# Altium PCB Waffling60-NMB.PcbDoc (part 1 of 2)
Units mm, origin at the board's own origin, x right, y up, seen from the top; angles counter-clockwise.
Board outline 284.7 x 94.21 mm, 2 copper layers (Component Side, Bottom Layer), stack 1.571 mm thick; 191 components, 116 nets, 794 pads, 119 vias.
Unrouted connection lines stored in the file: 9.
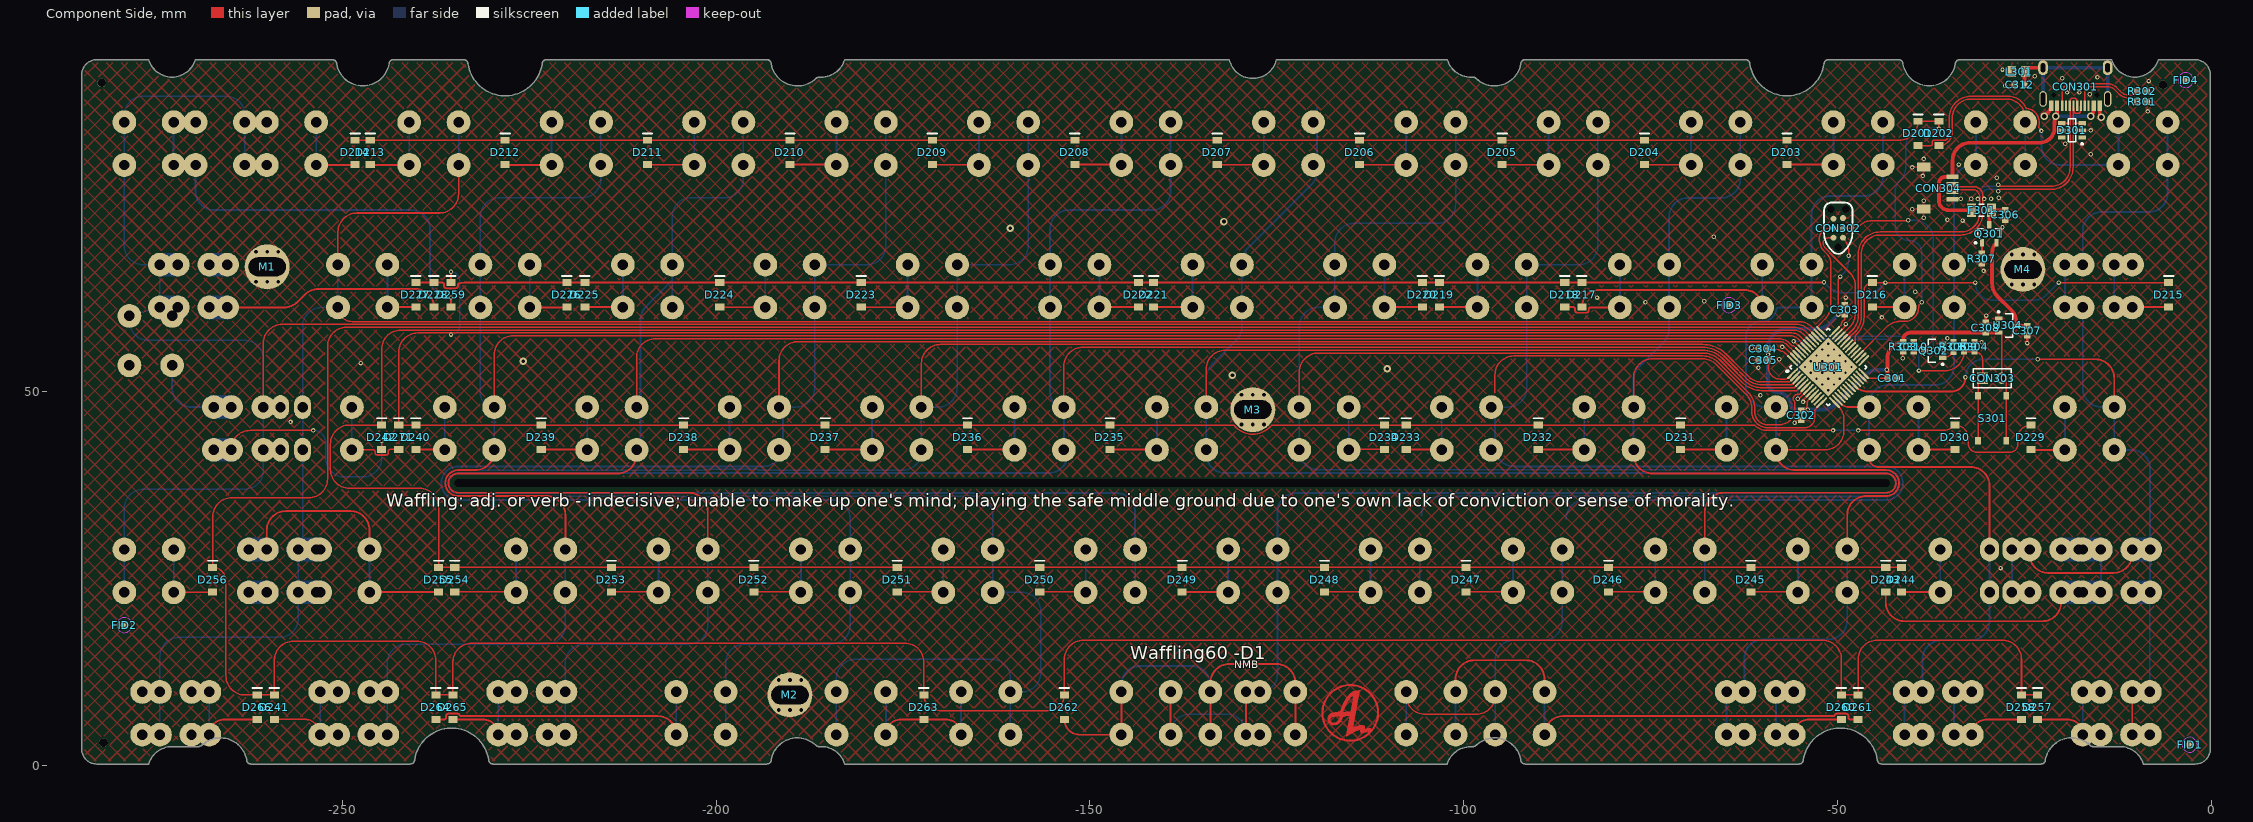
[diagram p0: Component Side view]
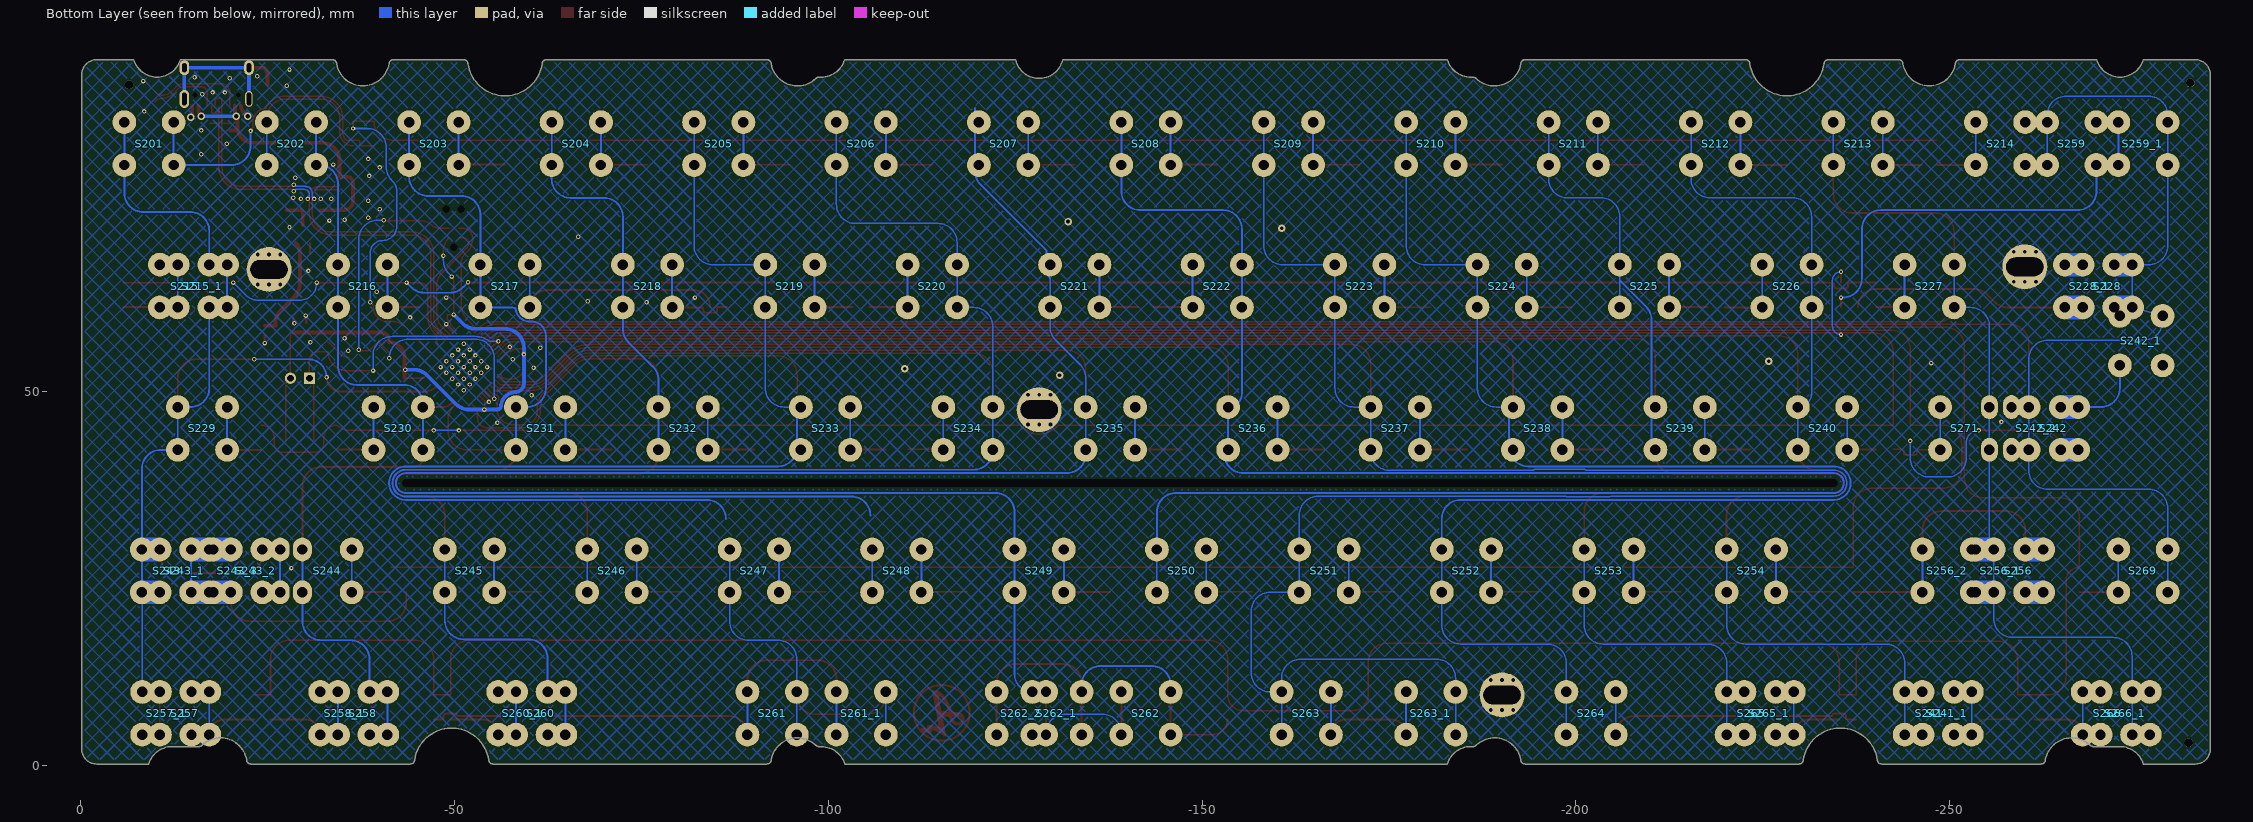
[diagram p1: Bottom Layer view, seen from below]

## Layer stack, top to bottom
Top Solder: solder mask 0.0102, Solder Resist, Dk 3.5
Component Side: signal copper 0.0356
Dielectric 1: core 1.5, FR-4, Dk 4.2
Bottom Layer: signal copper 0.0356
Solder Side: solder mask 0.0102, Solder Resist, Dk 3.5

## Board outline
-282.85,0.215 -275.891,0.215 cw(c-272.776,-0.709) -272.775,2.54 -269.318,2.54 ccw(c-269.319,3.455) -268.672,2.808 cw(c-266.3,0.158) -262.799,0.786 ccw(c-262.229,0.785) -262.228,0.215 -240.884,0.215 ccw(c-240.885,0.772) -240.328,0.771 cw(c-235.369,0.001) -230.41,0.771 ccw(c-229.853,0.772) -229.854,0.215 -193.196,0.215 ccw(c-193.195,0.785) -192.625,0.786 cw(c-189.125,0.16) -186.682,2.743 ccw(c-186.19,3.237) -186.193,2.54 -185.925,2.54 cw(c-185.924,-0.709) -182.809,0.215 -102.203,0.215 -102.203,0.204 cw(c-99.088,-0.72) -99.087,2.529 -98.833,2.529 ccw(c-98.832,3.253) -98.32,2.741 cw(c-95.875,0.159) -92.375,0.786 ccw(c-91.805,0.785) -91.804,0.215 -55.146,0.215 ccw(c-55.147,0.772) -54.59,0.771 cw(c-49.631,0.001) -44.672,0.771 ccw(c-44.115,0.772) -44.116,0.215 -22.772,0.215 ccw(c-22.771,0.785) -22.201,0.786 cw(c-18.701,0.16) -16.234,2.72 ccw(c-15.799,3.155) -15.8,2.54 -12.225,2.54 cw(c-12.224,-0.709) -9.109,0.215 -2.15,0.215 ccw(c-2.151,2.216) -0.15,2.215 -0.15,39.04 -0.15,92.415 ccw(c-2.151,92.414) -2.15,94.415 -7.109,94.415 cw(c-10.225,95.341) -13.341,94.415 -33.68,94.415 ccw(c-33.681,93.845) -34.251,93.844 cw(c-37.751,94.471) -41.251,93.844 ccw(c-41.821,93.845) -41.822,94.415 -51.245,94.415 ccw(c-51.246,93.845) -51.816,93.844 cw(c-56.775,94.615) -61.734,93.844 ccw(c-62.304,93.845) -62.305,94.415 -91.804,94.415 ccw(c-91.805,93.845) -92.375,93.844 cw(c-95.875,94.471) -98.285,91.856 ccw(c-98.85,91.29) -98.849,92.09 -99.075,92.09 cw(c-99.076,95.339) -102.191,94.415 -125.061,94.415 cw(c-128.211,95.149) -131.361,94.414 -131.361,94.415 -182.809,94.415 cw(c-185.924,95.339) -185.925,92.09 -186.179,92.09 ccw(c-186.18,91.366) -186.692,91.878 cw(c-189.125,94.471) -192.625,93.844 ccw(c-193.195,93.845) -193.196,94.415 -222.695,94.415 ccw(c-222.696,93.845) -223.266,93.844 cw(c-228.225,94.614) -233.184,93.844 ccw(c-233.754,93.845) -233.755,94.415 -243.178,94.415 ccw(c-243.179,93.845) -243.749,93.844 cw(c-247.249,94.471) -250.749,93.844 ccw(c-251.319,93.845) -251.32,94.415 -269.659,94.415 cw(c-272.775,95.341) -275.891,94.415 -282.85,94.415 ccw(c-282.849,92.414) -284.85,92.415 -284.85,39.04 -284.85,2.215 ccw(c-282.849,2.216)

## Design rules (kind name [scope] priority, off if disabled: settings)
BoardOutlineClearance [All] p1: gap=0.254 ignorepadtopadclearanceinfootprint=FALSE except(0: Arc-SplitContinuation Track-SplitContinuation SMDPad-SplitContinuation THPad-SplitContinuation Via-SplitContinuation Fill-SplitContinuation Poly-SplitContinuation Region-SplitContinuation Text-SplitContinuation)
Clearance [All] p1: gap=0.254 ignorepadtopadclearanceinfootprint=FALSE except(0: Arc-Hole Track-Hole SMDPad-Hole THPad-Hole Via-Hole Fill-Hole Poly-Hole Region-Hole Text-Hole; 0.18: Arc-Arc Arc-Track Arc-SMDPad Arc-THPad Arc-Via Arc-Fill Arc-Poly Arc-Region Arc-Text Track-Track Track-SMDPad Track-THPad Track-Via Track-Fill Track-Poly Track-Region Track-Text; 0.2: SMDPad-SMDPad SMDPad-THPad SMDPad-Via SMDPad-Fill SMDPad-Poly SMDPad-Region SMDPad-Text)
ComponentClearance [InComponent('No Component') And OnLayer('Component Side')] p1: gap=0.254 collisioncheckmode=3 verticalgap=0.254 showdistances=FALSE
DiffPairsRouting DiffPairsRouting_USB [InDifferentialPairClass('All Differential Pairs')] p1: maxlimit=0.254 minlimit=0.203 mostfreqgap=0.203 toplayer_minwidth=0.152 toplayer_maxwidth=0.381 toplayer_prefwidth=0.152 bottomlayer_minwidth=0.152 bottomlayer_maxwidth=0.381 bottomlayer_prefwidth=0.152 maxuncoupledlength=12.7
DiffPairsRouting [All] p2: maxlimit=0.254 minlimit=0.254 mostfreqgap=0.254 toplayer_minwidth=0.381 toplayer_maxwidth=0.381 toplayer_prefwidth=0.381 bottomlayer_minwidth=0.381 bottomlayer_maxwidth=0.381 bottomlayer_prefwidth=0.381 maxuncoupledlength=12.7
HoleSize [All] p1: absolutevalues=TRUE maxlimit=20 minlimit=0.025 maxpercent=80.000 minpercent=20.000
MatchedLengths MatchedLengths_USB_DiffPairs_1 [All] p1: tolerance=0.127 checknetsindiffpair=TRUE checkdiffpairvsdiffpair=FALSE checkxsignals=FALSE checkothers=FALSE
MatchedLengths MatchedLengths_USB_DiffPairs [All] p2: tolerance=0.127 checknetsindiffpair=TRUE checkdiffpairvsdiffpair=FALSE checkxsignals=FALSE checkothers=FALSE
PolygonConnect PolygonConnect_1 [All vs IsVia] p1: connectstyle=Direct reliefconductorwidth=0.254 reliefentries=4 polygonreliefangle="90 Angle" airgapwidth=0.254
PolygonConnect [All] p2: connectstyle=Relief reliefconductorwidth=0.254 reliefentries=4 polygonreliefangle="90 Angle" airgapwidth=0.254
RoutingVias [All] p1: holewidth=0.711 width=1.27 viastyle="Through Hole" minholewidth=0.711 minwidth=1.27 maxholewidth=0.711 maxwidth=1.27
SolderMaskExpansion [All] p1: expansion=0.102 istentingtop=FALSE
Width [All] p1: maxlimit=3.18 minlimit=0.203 preferedwidth=0.254 minimp=50.000000 maximp=50.000000 favimp=50.000000
27 further rules are at their usual default settings.

## Classes and differential pairs
component class Designator: C301 C302 C303 C304 C305 C306 C307 C308 C309 C310 C312 CON301 CON302 CON303 CON304 D301 F301 L301 M1 M2 M3 M4 Q301 Q302 R301 R302 R303 R304 R305 R307 S301 U301 U304
component class 1_waffling60-NMB_top: FID1 FID2 FID3 FID4
differential pair D: +D_P -D_N

## Components (designator, comment, footprint, x,y, rotation, side; value= is the part's Value field where it differs from the comment)
C301 "" C0603[1608] -42.672,51.816 r180 top value=0.1uF
C302 "" C0603[1608] -54.864,46.863 r90 top value=0.1uF
C303 "" C0603[1608] -49.022,60.96 r270 top value=0.1uF
C304 "" C0603[1608] -59.944,55.753 r0 top value=0.1uF
C305 "" C0603[1608] -59.944,54.229 r0 top value=0.1uF
C306 "" C0603[1608] -27.559,73.66 r90 top value=4.7uF
C307 "" C0603[1608] -24.638,58.166 r90 top value=1uF
C308 "" C0603[1608] -30.169,58.589 r270 top value=1uF
C309 "" C0603[1608] -33.09,56.007 r90 top value=4.7uF
C310 "" C0603[1608] -39.821,56.007 r270 top value=470nF
C312 "" C0603[1608] -25.654,91.059 r0 top value=0.1uF
CON301 "TYPE-C-31-M-12" TYPE-C-31-M-12 -18.2,88.25 r180 top locked
CON302 "TC2030-IDC" TC2030-IDC-NL -49.911,71.882 r90 top
CON303 "Header 2" HDR1X2 -30.607,51.816 r0 top
CON304 "Header 5" "JST SM04B-SRSS-TB" -38.5,77.25 r270 top
D201 "Diode" SOD-123 -39.243,84.558 r270 top
D202 "Diode" SOD-123 -36.449,84.558 r270 top
D203 "Diode" SOD-123 -56.769,82.018 r270 top
D204 "Diode" SOD-123 -75.819,82.018 r270 top
D205 "Diode" SOD-123 -94.869,82.018 r270 top
D206 "Diode" SOD-123 -113.919,82.018 r270 top
D207 "Diode" SOD-123 -132.969,82.018 r270 top
D208 "Diode" SOD-123 -152.019,82.018 r270 top
D209 "Diode" SOD-123 -171.069,82.018 r270 top
D210 "Diode" SOD-123 -190.119,82.018 r270 top
D211 "Diode" SOD-123 -209.169,82.018 r270 top
D212 "Diode" SOD-123 -228.219,82.018 r270 top
D213 "Diode" SOD-123 -246.253,82.018 r270 top
D214 "Diode" SOD-123 -248.285,82.018 r270 top
D215 "Diode" SOD-123 -5.715,62.968 r270 top
D216 "Diode" SOD-123 -45.339,62.968 r270 top
D217 "Diode" SOD-123 -84.201,62.968 r270 top
D218 "Diode" SOD-123 -86.487,62.968 r270 top
D219 "Diode" SOD-123 -103.251,62.968 r270 top
D220 "Diode" SOD-123 -105.537,62.968 r270 top
D221 "Diode" SOD-123 -141.478,62.968 r270 top
D222 "Diode" SOD-123 -143.51,62.968 r270 top
D223 "Diode" SOD-123 -180.594,62.968 r270 top
D224 "Diode" SOD-123 -199.517,62.968 r270 top
D225 "Diode" SOD-123 -217.551,62.968 r270 top
D226 "Diode" SOD-123 -219.964,62.968 r270 top
D227 "Diode" SOD-123 -240.157,62.968 r270 top
D228 "Diode" SOD-123 -237.744,62.968 r270 top
D229 "Diode" SOD-123 -24.13,43.918 r270 top
D230 "Diode" SOD-123 -34.29,43.918 r270 top
D231 "Diode" SOD-123 -70.993,43.918 r270 top
D232 "Diode" SOD-123 -90.043,43.918 r270 top
D233 "Diode" SOD-123 -107.696,43.918 r270 top
D234 "Diode" SOD-123 -110.617,43.918 r270 top
D235 "Diode" SOD-123 -147.32,43.918 r270 top
D236 "Diode" SOD-123 -166.37,43.918 r270 top
D237 "Diode" SOD-123 -185.42,43.918 r270 top
D238 "Diode" SOD-123 -204.343,43.918 r270 top
D239 "Diode" SOD-123 -223.393,43.918 r270 top
D240 "Diode" SOD-123 -240.157,43.918 r270 top
D241 "Diode" SOD-123 -259.08,7.818 r270 top
D242 "Diode" SOD-123 -244.729,43.918 r270 top
D243 "Diode" SOD-123 -43.561,24.868 r270 top
D244 "Diode" SOD-123 -41.468,24.868 r270 top
D245 "Diode" SOD-123 -61.595,24.868 r270 top
D246 "Diode" SOD-123 -80.645,24.868 r270 top
D247 "Diode" SOD-123 -99.695,24.868 r270 top
D248 "Diode" SOD-123 -118.618,24.868 r270 top
D249 "Diode" SOD-123 -137.668,24.868 r270 top
D250 "Diode" SOD-123 -156.718,24.868 r270 top
D251 "Diode" SOD-123 -175.768,24.868 r270 top
D252 "Diode" SOD-123 -194.945,24.868 r270 top
D253 "Diode" SOD-123 -213.995,24.868 r270 top
D254 "Diode" SOD-123 -234.95,24.868 r270 top
D255 "Diode" SOD-123 -237.109,24.868 r270 top
D256 "Diode" SOD-123 -267.335,24.868 r270 top
D257 "Diode" SOD-123 -23.241,7.818 r270 top
D258 "Diode" SOD-123 -25.4,7.818 r270 top
D259 "Diode" SOD-123 -235.458,62.968 r270 top
D260 "Diode" SOD-123 -49.482,7.818 r270 top
D261 "Diode" SOD-123 -47.244,7.818 r270 top
D262 "Diode" SOD-123 -153.416,7.818 r270 top
D263 "Diode" SOD-123 -172.212,7.818 r270 top
D264 "Diode" SOD-123 -237.49,7.818 r270 top
D265 "Diode" SOD-123 -235.204,7.818 r270 top
D266 "Diode" SOD-123 -261.366,7.818 r270 top
D271 "Diode" SOD-123 -242.443,43.918 r270 top
D301 "SRV05" SOT-23-6 -18.669,84.963 r180 top
F301 "Fuse Thermal" C1206[3216] -30.734,74.295 r180 top
FID1 "Plug" Fiducial_Nordic -2.921,2.794 r90 top
FID2 "Plug" Fiducial_Nordic -279.146,18.796 r90 top
FID3 "Plug" Fiducial_Nordic -64.516,61.595 r90 top
FID4 "Plug" Fiducial_Nordic -3.429,91.694 r90 top
L301 "Inductor" L0805 -25.781,92.837 r0 top
M1 "Socket" mounting_hole -260.05,66.715 r0 top
M2 "Socket" mounting_hole -190.119,9.45 r0 top
M3 "Socket" mounting_hole -128.212,47.614 r0 top
M4 "Socket" mounting_hole -25.2,66.365 r0 top
Q301 "PMOS-2" SOT-23-3 -29.718,71.12 r90 top
Q302 "2N7002 NMOS" SOT-23-3 -37.154,55.499 r180 top
R301 "Res1" R0603[1608] -9.271,88.773 r0 top value=5k1
R302 "Res1" R0603[1608] -9.271,90.17 r0 top value=5k1
R303 "Res1" R0603[1608] -41.218,56.007 r270 top value=10K
R304 "Res1" R0603[1608] -31.693,56.007 r90 top value=10K
R305 "Res1" R0603[1608] -34.487,55.992 r90 top value=100K
R307 "Res1" R0603[1608] -30.734,67.818 r270 top value=10K
S201 "NMB" "NMB-Switch 1U - switched pol  - no allignment pins"#1 -9.15,85.415 r180 bottom locked
S202 "NMB" "NMB-Switch 1U - no allignment pins"#1 -28.2,85.415 r180 bottom locked
S203 "NMB" "NMB-Switch 1U - switched pol  - no allignment pins"#1 -47.25,85.415 r180 bottom locked
S204 "NMB" "NMB-Switch 1U - switched pol  - no allignment pins"#1 -66.3,85.415 r180 bottom locked
S205 "NMB" "NMB-Switch 1U - switched pol  - no allignment pins"#1 -85.35,85.415 r180 bottom locked
S206 "NMB" "NMB-Switch 1U - switched pol  - no allignment pins"#1 -104.4,85.415 r180 bottom locked
S207 "NMB" "NMB-Switch 1U - switched pol  - no allignment pins"#1 -123.45,85.415 r180 bottom locked
S208 "NMB" "NMB-Switch 1U - switched pol  - no allignment pins"#1 -142.5,85.415 r180 bottom locked
S209 "NMB" "NMB-Switch 1U - switched pol  - no allignment pins"#1 -161.55,85.415 r180 bottom locked
S210 "NMB" "NMB-Switch 1U - switched pol  - no allignment pins"#1 -180.6,85.415 r180 bottom locked
S211 "NMB" "NMB-Switch 1U - switched pol  - no allignment pins"#1 -199.65,85.415 r180 bottom locked
S212 "NMB" "NMB-Switch 1U - switched pol  - no allignment pins"#1 -218.7,85.415 r180 bottom locked
S213 "NMB" "NMB-Switch 1U - switched pol  - no allignment pins"#1 -237.75,85.415 r180 bottom locked
S214 "NMB" "NMB-Switch 1U - no allignment pins"#1 -256.8,85.415 r180 bottom locked
S215 "NMB" "NMB-Switch 1U - no allignment pins"#1 -13.912,66.365 r180 bottom locked
S215_1 "NMB" "NMB-Switch 1U - no allignment pins"#1 -16.294,66.365 r180 bottom locked
S216 "NMB" "NMB-Switch 1U - switched pol  - no allignment pins"#1 -37.725,66.365 r180 bottom locked
S217 "NMB" "NMB-Switch 1U - switched pol  - no allignment pins"#1 -56.775,66.365 r180 bottom locked
S218 "NMB" "NMB-Switch 1U - switched pol  - no allignment pins"#1 -75.825,66.365 r180 bottom locked
S219 "NMB" "NMB-Switch 1U - switched pol  - no allignment pins"#1 -94.875,66.365 r180 bottom locked
S220 "NMB" "NMB-Switch 1U - no allignment pins"#1 -113.925,66.365 r180 bottom locked
S221 "NMB" "NMB-Switch 1U - switched pol  - no allignment pins"#1 -132.975,66.365 r180 bottom locked
S222 "NMB" "NMB-Switch 1U - no allignment pins"#1 -152.025,66.365 r180 bottom locked
S223 "NMB" "NMB-Switch 1U - switched pol  - no allignment pins"#1 -171.075,66.365 r180 bottom locked
S224 "NMB" "NMB-Switch 1U - switched pol  - no allignment pins"#1 -190.125,66.365 r180 bottom locked
S225 "NMB" "NMB-Switch 1U - switched pol  - no allignment pins"#1 -209.175,66.365 r180 bottom locked
S226 "NMB" "NMB-Switch 1U - no allignment pins"#1 -228.225,66.365 r180 bottom locked
S227 "NMB" "NMB-Switch 1U - no allignment pins"#1 -247.275,66.365 r180 bottom locked
S228 "NMB" "NMB-Switch 1U - no allignment pins"#2 -271.087,66.365 r180 bottom locked
S228_1 "NMB" "NMB-Switch 1U - no allignment pins"#2 -268.706,66.365 r180 bottom locked
S229 "NMB" "NMB-Switch 1U - no allignment pins"#1 -16.294,47.315 r180 bottom locked
S230 "NMB" "NMB-Switch 1U - no allignment pins"#1 -42.487,47.315 r180 bottom locked
S231 "NMB" "NMB-Switch 1U - switched pol  - no allignment pins"#1 -61.537,47.315 r180 bottom locked
S232 "NMB" "NMB-Switch 1U - switched pol  - no allignment pins"#1 -80.587,47.315 r180 bottom locked
S233 "NMB" "NMB-Switch 1U - switched pol  - no allignment pins"#1 -99.637,47.315 r180 bottom locked
S234 "NMB" "NMB-Switch 1U - no allignment pins"#1 -118.687,47.315 r180 bottom locked
S235 "NMB" "NMB-Switch 1U - switched pol  - no allignment pins"#1 -137.737,47.315 r180 bottom locked
S236 "NMB" "NMB-Switch 1U - switched pol  - no allignment pins"#1 -156.787,47.315 r180 bottom locked
S237 "NMB" "NMB-Switch 1U - switched pol  - no allignment pins"#1 -175.837,47.315 r180 bottom locked
S238 "NMB" "NMB-Switch 1U - switched pol  - no allignment pins"#1 -194.887,47.315 r180 bottom locked
S239 "NMB" "NMB-Switch 1U - switched pol  - no allignment pins"#1 -213.937,47.315 r180 bottom locked
S240 "NMB" "NMB-Switch 1U - switched pol  - no allignment pins"#1 -232.987,47.315 r180 bottom locked
S241 "NMB" "NMB-Switch 1U - no allignment pins"#1 -247.274,9.215 r180 bottom locked
S241_1 "NMB" "NMB-Switch 1U - no allignment pins"#1 -249.656,9.215 r180 bottom locked
S242 "NMB" "NMB-Switch 1U - switched pol  - no allignment pins"#2 -263.861,47.315 r180 bottom locked
S242_1 "NMB" "NMB-Switch 1U - no allignment pins"#1 -273.391,56.845 r90 bottom locked
S242_2 "NMB" "NMB-Switch 1U - switched pol  - no allignment pins"#3 -261.562,47.319 r180 bottom locked
S243 "NMB" "NMB-Switch 1U - switched pol  - no allignment pins"#2 -11.491,28.265 r180 bottom locked
S243_1 "NMB" "NMB-Switch 1U - switched pol  - no allignment pins"#1 -13.872,28.265 r180 bottom locked
S243_2 "NMB" "NMB-Switch 1U - no allignment pins"#3 -23.394,28.265 r180 bottom locked
S243_3 "NMB" "NMB-Switch 1U - no allignment pins"#2 -21.015,28.265 r180 bottom locked
S244 "NMB" "NMB-Switch 1U - no allignment pins"#4 -32.962,28.265 r180 bottom locked
S245 "NMB" "NMB-Switch 1U - switched pol  - no allignment pins"#1 -52.012,28.265 r180 bottom locked
S246 "NMB" "NMB-Switch 1U - switched pol  - no allignment pins"#1 -71.062,28.265 r180 bottom locked
S247 "NMB" "NMB-Switch 1U - switched pol  - no allignment pins"#1 -90.112,28.265 r180 bottom locked
S248 "NMB" "NMB-Switch 1U - switched pol  - no allignment pins"#1 -109.162,28.265 r180 bottom locked
S249 "NMB" "NMB-Switch 1U - switched pol  - no allignment pins"#1 -128.212,28.265 r180 bottom locked
S250 "NMB" "NMB-Switch 1U - switched pol  - no allignment pins"#1 -147.262,28.265 r180 bottom locked
S251 "NMB" "NMB-Switch 1U - switched pol  - no allignment pins"#1 -166.312,28.265 r180 bottom locked
S252 "NMB" "NMB-Switch 1U - switched pol  - no allignment pins"#1 -185.362,28.265 r180 bottom locked
S253 "NMB" "NMB-Switch 1U - switched pol  - no allignment pins"#1 -204.412,28.265 r180 bottom locked
S254 "NMB" "NMB-Switch 1U - switched pol  - no allignment pins"#1 -223.462,28.265 r180 bottom locked
S256 "NMB" "NMB-Switch 1U - switched pol  - no allignment pins"#2 -259.181,28.265 r180 bottom locked
S256_1 "NMB" "NMB-Switch 1U - switched pol  - no allignment pins"#1 -256.8,28.265 r180 bottom locked
S256_2 "NMB" "NMB-Switch 1U - no allignment pins"#2 -249.656,28.265 r180 bottom locked
S257 "NMB" "NMB-Switch 1U - no allignment pins"#1 -13.912,9.215 r180 bottom locked
S257_1 "NMB" "NMB-Switch 1U - no allignment pins"#1 -11.531,9.215 r180 bottom locked
S258 "NMB" "NMB-Switch 1U - no allignment pins"#1 -37.724,9.215 r180 bottom locked
S258_1 "NMB" "NMB-Switch 1U - switched pol  - no allignment pins"#1 -35.343,9.215 r180 bottom locked
S259 "NMB" "NMB-Switch 1U - no allignment pins"#1 -266.325,85.415 r180 bottom locked
S259_1 "NMB" "NMB-Switch 1U - no allignment pins"#1 -275.85,85.415 r180 bottom locked
S260 "NMB" "NMB-Switch 1U - no allignment pins"#1 -61.537,9.215 r180 bottom locked
S260_1 "NMB" "NMB-Switch 1U - switched pol  - no allignment pins"#1 -59.156,9.215 r180 bottom locked
S261 "NMB" "NMB-Switch 1U - no allignment pins"#1 -92.493,9.215 r180 bottom locked
S261_1 "NMB" "NMB-Switch 1U - no allignment pins"#1 -104.399,9.215 r180 bottom locked
S262 "NMB" "NMB-Switch 1U - no allignment pins"#1 -142.499,9.215 r180 bottom locked
S262_1 "NMB" "NMB-Switch 1U - no allignment pins"#1 -130.593,9.215 r180 bottom locked
S262_2 "NMB" "NMB-Switch 1U - switched pol  - no allignment pins"#1 -125.823,9.215 r180 bottom locked
S263 "NMB" "NMB-Switch 1U - no allignment pins"#1 -163.931,9.215 r180 bottom locked
S263_1 "NMB" "NMB-Switch 1U - switched pol  - no allignment pins"#1 -180.599,9.215 r180 bottom locked
S264 "NMB" "NMB-Switch 1U - switched pol  - no allignment pins"#1 -202.031,9.215 r180 bottom locked
S265 "NMB" "NMB-Switch 1U - no allignment pins"#1 -223.462,9.215 r180 bottom locked
S265_1 "NMB" "NMB-Switch 1U - no allignment pins"#1 -225.843,9.215 r180 bottom locked
S266 "NMB" "NMB-Switch 1U - no allignment pins"#1 -271.087,9.215 r180 bottom locked
S266_1 "NMB" "NMB-Switch 1U - no allignment pins"#1 -273.468,9.215 r180 bottom locked
S269 "NMB" "NMB-Switch 1U - no allignment pins"#1 -275.85,28.265 r180 bottom locked
S271 "NMB" "NMB-Switch 1U - no allignment pins"#5 -252.012,47.315 r180 bottom locked
S301 "SW-PB" "XKB Switch" -29.337,46.482 r270 top
U301 "STM32F072/F303_LQFP48" "STM32 - COMBO 7X7MM" -51.26,53.309 r45 top
U304 "XC6206P332MR" SOT-23-3 -27.263,58.871 r0 top
